# Altium PCB LimeSDR-PCIe_1v2.PcbDoc (part 9 of 9)
Units mm, origin at the board's own origin, x right, y up, seen from the top; angles counter-clockwise.
Board outline 136.85 x 68.9 mm, 12 copper layers (Top, L2, L3, L4, L5, L6, L7, L8, L9, L10, L11, Bottom), stack 1.638 mm thick; 821 components, 532 nets, 3803 pads, 1799 vias.
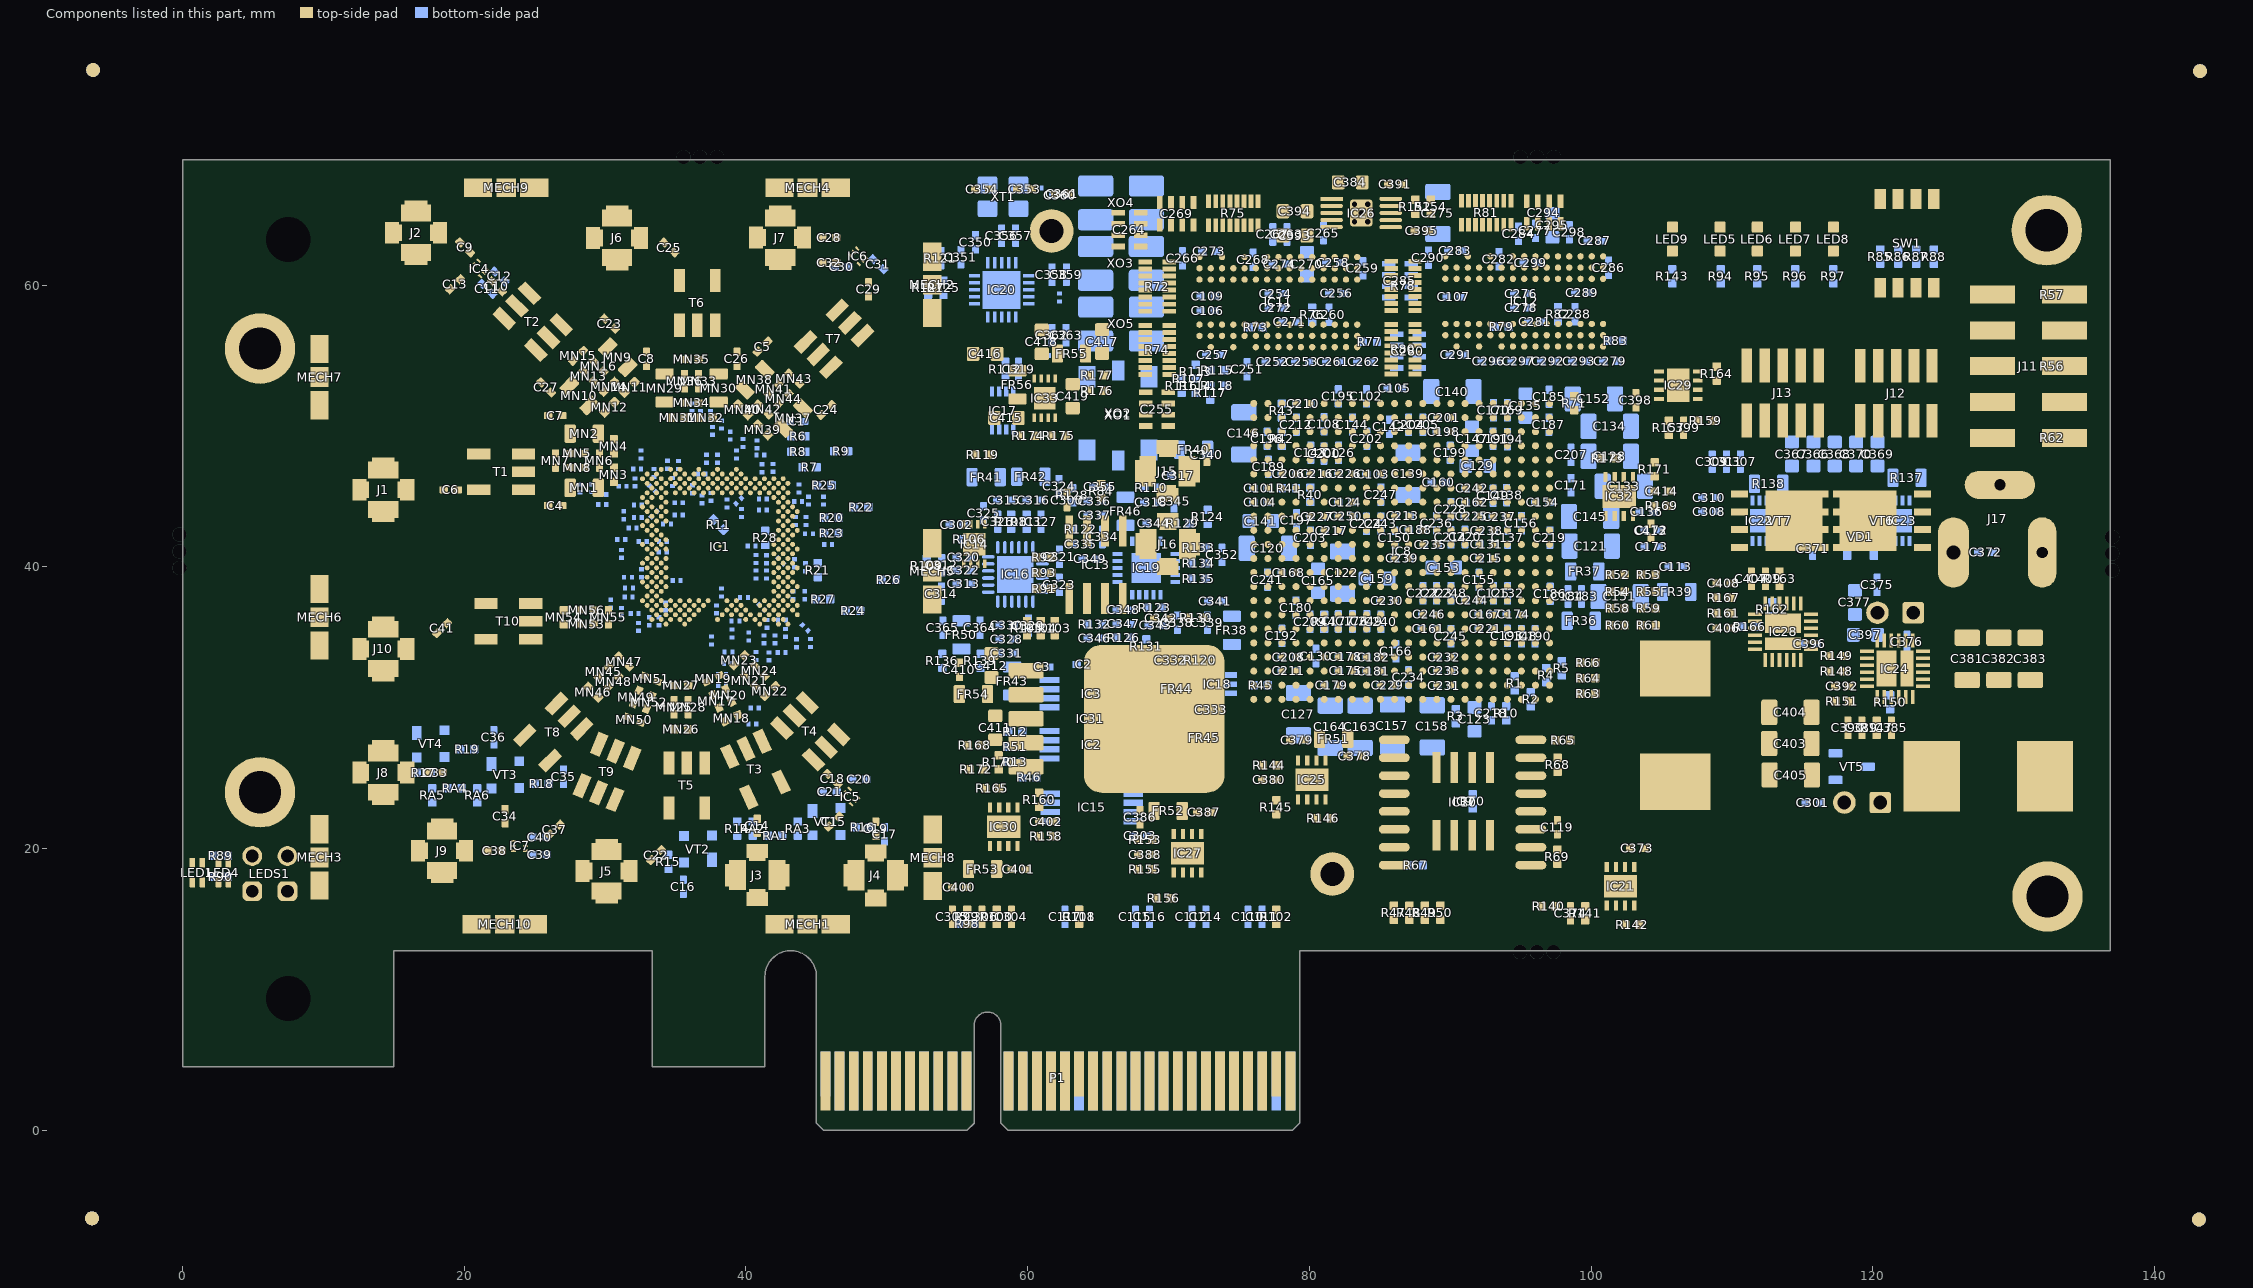
[diagram p19: the components of this part, seen from the top]

## Other copper (continued)
L5:
  pour cut-out: 70.715,44.6 70.715,45.8 69.14,45.8 69.14,44.6
  pour cut-out: 69.16,43.825 69.16,42.625 70.735,42.625 70.735,43.825
  region net VDIO_LMS: 42.025,42.725 41.875,42.575 41.325,42.575 41.15,42.75 41.15,43.35 41.325,43.525 41.9,43.525 42.025,43.4 42.025,43.15 42.2,42.975 42.2,42.875
  pour cut-out: 48.426,20.3 48.426,19.1 50.001,19.1 50.001,20.3
  pour cut-out: 40.01,20.325 40.01,19.125 41.585,19.125 41.585,20.325
  pour cut-out: 32.3,19.19 31.1,19.19 31.1,17.615 32.3,17.615
  pour cut-out: 20.625,20.64 19.425,20.64 19.425,19.065 20.625,19.065
  pour cut-out: 16.45,26.19 15.25,26.19 15.25,24.615 16.45,24.615
  pour cut-out: 16.45,34.965 15.25,34.965 15.25,33.39 16.45,33.39
  pour cut-out: 16.45,46.265 15.25,46.265 15.25,44.69 16.45,44.69
  pour cut-out: 18.775,64.515 17.575,64.515 17.575,62.94 18.775,62.94
  pour cut-out: 33.05,64.15 31.85,64.15 31.85,62.575 33.05,62.575
  pour cut-out: 41.865,27.011 41.158,28.529 40.455,28.201 41.163,26.683
  pour cut-out: 39.565,25.936 38.858,27.454 38.155,27.126 38.863,25.608
  pour cut-out: 39.485,24.264 40.193,22.746 40.895,23.074 40.187,24.592
  pour cut-out: 28.308,25.375 27.667,23.828 28.383,23.531 29.024,25.079
  pour cut-out: 29.525,28.313 28.884,26.766 29.6,26.469 30.241,28.017
  pour cut-out: 31.872,27.341 31.231,25.794 31.947,25.497 32.588,27.045
  pour cut-out: 45.66,25.993 44.475,27.177 43.927,26.629 45.112,25.445
  pour cut-out: 43.483,30.664 44.668,29.479 45.216,30.027 44.031,31.212
  pour cut-out: 41.687,28.868 42.872,27.683 43.42,28.231 42.235,29.416
  pour cut-out: 34.917,22.061 34.917,23.736 34.142,23.736 34.142,22.061
  pour cut-out: 37.457,25.241 37.457,26.916 36.682,26.916 36.682,25.241
  pour cut-out: 34.141,26.904 34.141,25.229 34.916,25.229 34.916,26.904
  pour cut-out: 23.987,27.186 25.171,28.37 24.623,28.918 23.439,27.734
  pour cut-out: 28.658,29.363 27.474,28.178 28.022,27.63 29.206,28.815
  pour cut-out: 26.862,31.159 25.678,29.974 26.226,29.426 27.41,30.611
  pour cut-out: 22.372,37.795 20.697,37.795 20.697,37.02 22.372,37.02
  pour cut-out: 25.552,37.795 23.877,37.795 23.877,37.02 25.552,37.02
  pour cut-out: 25.552,35.255 23.877,35.255 23.877,34.48 25.552,34.48
  pour cut-out: 21.721,45.87 20.046,45.87 20.046,45.095 21.721,45.095
  pour cut-out: 25.051,48.41 23.376,48.41 23.376,47.635 25.051,47.635
  pour cut-out: 25.051,45.87 23.376,45.87 23.376,45.095 25.051,45.095
  pour cut-out: 25.947,55.076 24.763,56.261 24.215,55.712 25.399,54.528
  pour cut-out: 27.743,56.872 26.559,58.057 26.011,57.509 27.195,56.324
  pour cut-out: 24.597,58.223 23.412,59.407 22.864,58.859 24.049,57.675
  pour cut-out: 35.663,56.32 35.663,57.995 34.888,57.995 34.888,56.32
  pour cut-out: 38.203,56.32 38.203,57.995 37.428,57.995 37.428,56.32
  pour cut-out: 35.663,59.5 35.663,61.175 34.888,61.175 34.888,59.5
  pour cut-out: 47.067,56.462 48.252,57.647 47.704,58.195 46.519,57.01
  pour cut-out: 45.717,53.316 46.901,54.5 46.353,55.048 45.169,53.864
  pour cut-out: 43.921,55.112 45.105,56.296 44.557,56.844 43.373,55.66
  pour cut-out: 44.625,64.165 43.425,64.165 43.425,62.59 44.625,62.59
L8:
  pour cut-out: 26.862,31.159 25.678,29.974 26.226,29.426 27.41,30.611
  pour cut-out: 28.658,29.363 27.474,28.178 28.022,27.63 29.206,28.815
  pour cut-out: 23.987,27.186 25.171,28.37 24.623,28.918 23.439,27.734
  pour cut-out: 34.141,26.904 34.141,25.229 34.916,25.229 34.916,26.904
  pour cut-out: 37.457,25.241 37.457,26.916 36.682,26.916 36.682,25.241
  pour cut-out: 34.917,22.061 34.917,23.736 34.142,23.736 34.142,22.061
  pour cut-out: 41.687,28.868 42.872,27.683 43.42,28.231 42.235,29.416
  pour cut-out: 43.483,30.664 44.668,29.479 45.216,30.027 44.031,31.212
  pour cut-out: 45.66,25.993 44.475,27.177 43.927,26.629 45.112,25.445
  pour cut-out: 31.872,27.341 31.231,25.794 31.947,25.497 32.588,27.045
  pour cut-out: 29.525,28.313 28.884,26.766 29.6,26.469 30.241,28.017
  pour cut-out: 28.308,25.375 27.667,23.828 28.383,23.531 29.024,25.079
  pour cut-out: 39.485,24.264 40.193,22.746 40.895,23.074 40.187,24.592
  pour cut-out: 39.565,25.936 38.858,27.454 38.155,27.126 38.863,25.608
  pour cut-out: 41.865,27.011 41.158,28.529 40.455,28.201 41.163,26.683
  pour cut-out: 25.552,35.255 23.877,35.255 23.877,34.48 25.552,34.48
  pour cut-out: 25.552,37.795 23.877,37.795 23.877,37.02 25.552,37.02
  pour cut-out: 22.372,37.795 20.697,37.795 20.697,37.02 22.372,37.02
  pour cut-out: 25.051,45.87 23.376,45.87 23.376,45.095 25.051,45.095
  pour cut-out: 25.051,48.41 23.376,48.41 23.376,47.635 25.051,47.635
  pour cut-out: 21.721,45.87 20.046,45.87 20.046,45.095 21.721,45.095
  pour cut-out: 24.597,58.223 23.412,59.407 22.864,58.859 24.049,57.675
  pour cut-out: 27.743,56.872 26.559,58.057 26.011,57.509 27.195,56.324
  pour cut-out: 25.947,55.076 24.763,56.261 24.215,55.712 25.399,54.528
  pour cut-out: 35.663,59.5 35.663,61.175 34.888,61.175 34.888,59.5
  pour cut-out: 38.203,56.32 38.203,57.995 37.428,57.995 37.428,56.32
  pour cut-out: 35.663,56.32 35.663,57.995 34.888,57.995 34.888,56.32
  pour cut-out: 43.921,55.112 45.105,56.296 44.557,56.844 43.373,55.66
  pour cut-out: 45.717,53.316 46.901,54.5 46.353,55.048 45.169,53.864
  pour cut-out: 47.067,56.462 48.252,57.647 47.704,58.195 46.519,57.01
L9:
  pour cut-out: 41.865,27.011 41.158,28.529 40.455,28.201 41.163,26.683
  pour cut-out: 39.565,25.936 38.858,27.454 38.155,27.126 38.863,25.608
  pour cut-out: 39.485,24.264 40.193,22.746 40.895,23.074 40.187,24.592
  pour cut-out: 28.308,25.375 27.667,23.828 28.383,23.531 29.024,25.079
  pour cut-out: 29.525,28.313 28.884,26.766 29.6,26.469 30.241,28.017
  pour cut-out: 31.872,27.341 31.231,25.794 31.947,25.497 32.588,27.045
  pour cut-out: 45.66,25.993 44.475,27.177 43.927,26.629 45.112,25.445
  pour cut-out: 43.483,30.664 44.668,29.479 45.216,30.027 44.031,31.212
  pour cut-out: 41.687,28.868 42.872,27.683 43.42,28.231 42.235,29.416
  pour cut-out: 34.917,22.061 34.917,23.736 34.142,23.736 34.142,22.061
  pour cut-out: 37.457,25.241 37.457,26.916 36.682,26.916 36.682,25.241
  pour cut-out: 34.141,26.904 34.141,25.229 34.916,25.229 34.916,26.904
  pour cut-out: 23.987,27.186 25.171,28.37 24.623,28.918 23.439,27.734
  pour cut-out: 28.658,29.363 27.474,28.178 28.022,27.63 29.206,28.815
  pour cut-out: 26.862,31.159 25.678,29.974 26.226,29.426 27.41,30.611
  pour cut-out: 22.372,37.795 20.697,37.795 20.697,37.02 22.372,37.02
  pour cut-out: 25.552,37.795 23.877,37.795 23.877,37.02 25.552,37.02
  pour cut-out: 25.552,35.255 23.877,35.255 23.877,34.48 25.552,34.48
  pour cut-out: 21.721,45.87 20.046,45.87 20.046,45.095 21.721,45.095
  pour cut-out: 25.051,48.41 23.376,48.41 23.376,47.635 25.051,47.635
  pour cut-out: 25.051,45.87 23.376,45.87 23.376,45.095 25.051,45.095
  pour cut-out: 25.947,55.076 24.763,56.261 24.215,55.712 25.399,54.528
  pour cut-out: 27.743,56.872 26.559,58.057 26.011,57.509 27.195,56.324
  pour cut-out: 24.597,58.223 23.412,59.407 22.864,58.859 24.049,57.675
  pour cut-out: 35.663,56.32 35.663,57.995 34.888,57.995 34.888,56.32
  pour cut-out: 38.203,56.32 38.203,57.995 37.428,57.995 37.428,56.32
  pour cut-out: 35.663,59.5 35.663,61.175 34.888,61.175 34.888,59.5
  pour cut-out: 47.067,56.462 48.252,57.647 47.704,58.195 46.519,57.01
  pour cut-out: 45.717,53.316 46.901,54.5 46.353,55.048 45.169,53.864
  pour cut-out: 43.921,55.112 45.105,56.296 44.557,56.844 43.373,55.66
L10:
  region net VCC1P25_LMS: 21.275,41.625 21.275,39.6 21.775,39.1 21.775,41.125
  region net VCC1P25_LMS: 52.775,29.65 51.825,29.65 51.35,29.175 51.35,28.75 51.4,28.7 52.775,28.7
  pour cut-out: 41.865,27.011 41.158,28.529 40.455,28.201 41.163,26.683
  pour cut-out: 39.565,25.936 38.858,27.454 38.155,27.126 38.863,25.608
  pour cut-out: 39.485,24.264 40.193,22.746 40.895,23.074 40.187,24.592
  pour cut-out: 28.308,25.375 27.667,23.828 28.383,23.531 29.024,25.079
  pour cut-out: 29.525,28.313 28.884,26.766 29.6,26.469 30.241,28.017
  pour cut-out: 31.872,27.341 31.231,25.794 31.947,25.497 32.588,27.045
  pour cut-out: 45.66,25.993 44.475,27.177 43.927,26.629 45.112,25.445
  pour cut-out: 43.483,30.664 44.668,29.479 45.216,30.027 44.031,31.212
  pour cut-out: 41.687,28.868 42.872,27.683 43.42,28.231 42.235,29.416
  pour cut-out: 34.917,22.061 34.917,23.736 34.142,23.736 34.142,22.061
  pour cut-out: 37.457,25.241 37.457,26.916 36.682,26.916 36.682,25.241
  pour cut-out: 34.141,26.904 34.141,25.229 34.916,25.229 34.916,26.904
  pour cut-out: 23.987,27.186 25.171,28.37 24.623,28.918 23.439,27.734
  pour cut-out: 28.658,29.363 27.474,28.178 28.022,27.63 29.206,28.815
  pour cut-out: 26.862,31.159 25.678,29.974 26.226,29.426 27.41,30.611
  pour cut-out: 22.372,37.795 20.697,37.795 20.697,37.02 22.372,37.02
  pour cut-out: 25.552,37.795 23.877,37.795 23.877,37.02 25.552,37.02
  pour cut-out: 25.552,35.255 23.877,35.255 23.877,34.48 25.552,34.48
  pour cut-out: 21.721,45.87 20.046,45.87 20.046,45.095 21.721,45.095
  pour cut-out: 25.051,48.41 23.376,48.41 23.376,47.635 25.051,47.635
  pour cut-out: 25.051,45.87 23.376,45.87 23.376,45.095 25.051,45.095
  pour cut-out: 25.947,55.076 24.763,56.261 24.215,55.712 25.399,54.528
  pour cut-out: 27.743,56.872 26.559,58.057 26.011,57.509 27.195,56.324
  pour cut-out: 24.597,58.223 23.412,59.407 22.864,58.859 24.049,57.675
  pour cut-out: 35.663,56.32 35.663,57.995 34.888,57.995 34.888,56.32
  pour cut-out: 38.203,56.32 38.203,57.995 37.428,57.995 37.428,56.32
  pour cut-out: 35.663,59.5 35.663,61.175 34.888,61.175 34.888,59.5
  pour cut-out: 47.067,56.462 48.252,57.647 47.704,58.195 46.519,57.01
  pour cut-out: 45.717,53.316 46.901,54.5 46.353,55.048 45.169,53.864
  pour cut-out: 43.921,55.112 45.105,56.296 44.557,56.844 43.373,55.66
  text "A" at 127.575,17.375 h0.7
  text "V" at 128.575,17.35 h0.7
  text "L" at 128.05,16.8 h0.7
  text "D" at 127.8,15.175 h0.7
  text "R" at 128.35,15.175 h0.7
L6:
  pour cut-out: 70.715,44.6 70.715,45.8 69.14,45.8 69.14,44.6
  pour cut-out: 69.16,43.825 69.16,42.625 70.735,42.625 70.735,43.825
  pour cut-out: 48.426,20.3 48.426,19.1 50.001,19.1 50.001,20.3
  pour cut-out: 40.01,20.325 40.01,19.125 41.585,19.125 41.585,20.325
  pour cut-out: 32.3,19.19 31.1,19.19 31.1,17.615 32.3,17.615
  pour cut-out: 20.625,20.64 19.425,20.64 19.425,19.065 20.625,19.065
  pour cut-out: 16.45,26.19 15.25,26.19 15.25,24.615 16.45,24.615
  pour cut-out: 16.45,34.965 15.25,34.965 15.25,33.39 16.45,33.39
  pour cut-out: 16.45,46.265 15.25,46.265 15.25,44.69 16.45,44.69
  pour cut-out: 18.775,64.515 17.575,64.515 17.575,62.94 18.775,62.94
  pour cut-out: 33.05,64.15 31.85,64.15 31.85,62.575 33.05,62.575
  pour cut-out: 41.865,27.011 41.158,28.529 40.455,28.201 41.163,26.683
  pour cut-out: 39.565,25.936 38.858,27.454 38.155,27.126 38.863,25.608
  pour cut-out: 39.485,24.264 40.193,22.746 40.895,23.074 40.187,24.592
  pour cut-out: 28.308,25.375 27.667,23.828 28.383,23.531 29.024,25.079
  pour cut-out: 29.525,28.313 28.884,26.766 29.6,26.469 30.241,28.017
  pour cut-out: 31.872,27.341 31.231,25.794 31.947,25.497 32.588,27.045
  pour cut-out: 45.66,25.993 44.475,27.177 43.927,26.629 45.112,25.445
  pour cut-out: 43.483,30.664 44.668,29.479 45.216,30.027 44.031,31.212
  pour cut-out: 41.687,28.868 42.872,27.683 43.42,28.231 42.235,29.416
  pour cut-out: 34.917,22.061 34.917,23.736 34.142,23.736 34.142,22.061
  pour cut-out: 37.457,25.241 37.457,26.916 36.682,26.916 36.682,25.241
  pour cut-out: 34.141,26.904 34.141,25.229 34.916,25.229 34.916,26.904
  pour cut-out: 23.987,27.186 25.171,28.37 24.623,28.918 23.439,27.734
  pour cut-out: 28.658,29.363 27.474,28.178 28.022,27.63 29.206,28.815
  pour cut-out: 26.862,31.159 25.678,29.974 26.226,29.426 27.41,30.611
  pour cut-out: 22.372,37.795 20.697,37.795 20.697,37.02 22.372,37.02
  pour cut-out: 25.552,37.795 23.877,37.795 23.877,37.02 25.552,37.02
  pour cut-out: 25.552,35.255 23.877,35.255 23.877,34.48 25.552,34.48
  pour cut-out: 21.721,45.87 20.046,45.87 20.046,45.095 21.721,45.095
  pour cut-out: 25.051,48.41 23.376,48.41 23.376,47.635 25.051,47.635
  pour cut-out: 25.051,45.87 23.376,45.87 23.376,45.095 25.051,45.095
  pour cut-out: 25.947,55.076 24.763,56.261 24.215,55.712 25.399,54.528
  pour cut-out: 27.743,56.872 26.559,58.057 26.011,57.509 27.195,56.324
  pour cut-out: 24.597,58.223 23.412,59.407 22.864,58.859 24.049,57.675
  pour cut-out: 35.663,56.32 35.663,57.995 34.888,57.995 34.888,56.32
  pour cut-out: 38.203,56.32 38.203,57.995 37.428,57.995 37.428,56.32
  pour cut-out: 35.663,59.5 35.663,61.175 34.888,61.175 34.888,59.5
  pour cut-out: 47.067,56.462 48.252,57.647 47.704,58.195 46.519,57.01
  pour cut-out: 45.717,53.316 46.901,54.5 46.353,55.048 45.169,53.864
  pour cut-out: 43.921,55.112 45.105,56.296 44.557,56.844 43.373,55.66
  pour cut-out: 44.625,64.165 43.425,64.165 43.425,62.59 44.625,62.59
L7:
  pour cut-out: 41.865,27.011 41.158,28.529 40.455,28.201 41.163,26.683
  pour cut-out: 39.565,25.936 38.858,27.454 38.155,27.126 38.863,25.608
  pour cut-out: 39.485,24.264 40.193,22.746 40.895,23.074 40.187,24.592
  pour cut-out: 28.308,25.375 27.667,23.828 28.383,23.531 29.024,25.079
  pour cut-out: 29.525,28.313 28.884,26.766 29.6,26.469 30.241,28.017
  pour cut-out: 31.872,27.341 31.231,25.794 31.947,25.497 32.588,27.045
  pour cut-out: 45.66,25.993 44.475,27.177 43.927,26.629 45.112,25.445
  pour cut-out: 43.483,30.664 44.668,29.479 45.216,30.027 44.031,31.212
  pour cut-out: 41.687,28.868 42.872,27.683 43.42,28.231 42.235,29.416
  pour cut-out: 34.917,22.061 34.917,23.736 34.142,23.736 34.142,22.061
  pour cut-out: 37.457,25.241 37.457,26.916 36.682,26.916 36.682,25.241
  pour cut-out: 34.141,26.904 34.141,25.229 34.916,25.229 34.916,26.904
  pour cut-out: 23.987,27.186 25.171,28.37 24.623,28.918 23.439,27.734
  pour cut-out: 28.658,29.363 27.474,28.178 28.022,27.63 29.206,28.815
  pour cut-out: 26.862,31.159 25.678,29.974 26.226,29.426 27.41,30.611
  pour cut-out: 22.372,37.795 20.697,37.795 20.697,37.02 22.372,37.02
  pour cut-out: 25.552,37.795 23.877,37.795 23.877,37.02 25.552,37.02
  pour cut-out: 25.552,35.255 23.877,35.255 23.877,34.48 25.552,34.48
  pour cut-out: 21.721,45.87 20.046,45.87 20.046,45.095 21.721,45.095
  pour cut-out: 25.051,48.41 23.376,48.41 23.376,47.635 25.051,47.635
  pour cut-out: 25.051,45.87 23.376,45.87 23.376,45.095 25.051,45.095
  pour cut-out: 25.947,55.076 24.763,56.261 24.215,55.712 25.399,54.528
  pour cut-out: 27.743,56.872 26.559,58.057 26.011,57.509 27.195,56.324
  pour cut-out: 24.597,58.223 23.412,59.407 22.864,58.859 24.049,57.675
  pour cut-out: 35.663,56.32 35.663,57.995 34.888,57.995 34.888,56.32
  pour cut-out: 38.203,56.32 38.203,57.995 37.428,57.995 37.428,56.32
  pour cut-out: 35.663,59.5 35.663,61.175 34.888,61.175 34.888,59.5
  pour cut-out: 47.067,56.462 48.252,57.647 47.704,58.195 46.519,57.01
  pour cut-out: 45.717,53.316 46.901,54.5 46.353,55.048 45.169,53.864
  pour cut-out: 43.921,55.112 45.105,56.296 44.557,56.844 43.373,55.66
Bottom:
  region net GND: 34.625,35.725 34.625,35.375 33.3,34.05 26.9,34.05 23,30.15 23,29.275 25.2,27.075 27,27.075 28.225,25.85 40,25.85 40,28.5 39.198,28.5 36.772,30.926 36.772,35.725
  pour cut-out: 60.15,6.05 60.15,10.45 58.725,11.875 58.725,13.175 59.275,13.175 59.275,12.25 60.875,10.65 60.875,6.05
  pour cut-out: 59.425,6.05 59.425,10.225 58.025,11.625 58.025,13.175 58.488,13.175 58.488,12.112 60.15,10.45 60.15,6.05
  pour cut-out: 63.875,6.05 63.875,14.058 63.15,14.058 63.15,6.05
  pour cut-out: 62.425,6.05 62.425,14.058 63.15,14.058 63.15,6.05
  pour cut-out: 68.875,6.05 68.875,14.058 68.15,14.058 68.15,6.05
  pour cut-out: 67.425,6.05 67.425,14.058 68.15,14.058 68.15,6.05
  pour cut-out: 72.875,6.05 72.875,14.058 72.15,14.058 72.15,6.05
  pour cut-out: 71.425,6.05 71.425,14.058 72.15,14.058 72.15,6.05
  pour cut-out: 75.425,6.05 75.425,14.058 76.15,14.058 76.15,6.05
  pour cut-out: 76.875,6.05 76.875,14.058 76.15,14.058 76.15,6.05
  region net VCC3P3_CLK: 58.025,32.275 58.025,30.725 58.25,30.5 59.525,30.5 59.6,30.575 59.6,32.125 59.475,32.25 58.625,32.25 58.475,32.4 58.15,32.4
  region net REF_CLK_OUT: 53.799,61.722 54.403,61.722 54.5,61.625 54.5,61.5 54.275,61.275 54.128,61.422 53.799,61.422
  region net NetC312_2: 71.625,53.65 72.375,53.65 72.675,53.95 73.25,53.95 73.25,52.875 72.65,52.875 72.475,53.05 71.625,53.05
  region net VCC2P5A_FPGA: 96.497,35.728 96.1,36.125 95.1,36.125 94.775,35.8 94.775,35.5 96.497,35.5
  region net VCC12P0: 112.3,42.2 112.3,40.875 112.9,40.275 113.6,40.275 113.875,40.55 113.875,41.125 112.8,42.2
  region net VCC2P5: 57,33.125 55.875,33.125 55.75,33 55.75,32.15 55.925,31.975 56.85,31.975 57,32.125
  region net VCC1P8: 58.875,47.25 58.725,47.4 58.725,47.9 59,48.175 59.675,48.175 59.825,48.025 59.825,47.4 59.675,47.25
  region net VCC1P2: 100.775,40.325 100.65,40.45 100.65,42.175 100.3,42.525 99.05,42.525 98.9,42.375 98.9,40.775 99.275,40.4 99.3,40.425 100.275,39.45 100.775,39.45
  region net VCC1P2: 99.8,36.825 99.425,36.45 99.425,35.95 99.9,35.475 99.9,34.875 100.05,34.725 100.85,34.725 101.05,34.925 101.05,36.625 100.85,36.825
  region net VCC1P8_DDR2: 88.2,62.45 88.2,64.1 88.325,64.225 90.05,64.225 90.15,64.125 90.15,62.45
  region net VCC12P0_PCIE: 108.575,43.575 108.575,47.175 108.7,47.3 111.45,47.3 112,46.75 112,45.625 111.625,45.25 111.025,45.25 110.7,44.925 110.7,43.975 110.3,43.575
  region net VCC2P5: 73.75,34.9 73.75,33.775 74.025,33.5 75.025,33.5 75.25,33.725 75.25,34.9
  region net VCC2P5: 106.675,37.2 106.825,37.05 107.975,37.05 108.125,37.2 108.125,38.825 107.925,39.025 106.725,39.025 106.675,38.975
  region net VCC3P3: 54.7,33.125 54.925,32.9 54.925,30.275 54.5,29.85 53.55,29.85 53.15,30.25 53.15,32.925 53.35,33.125
  region net VCC3P3_CLK: 73.175,46.875 72.925,46.625 72.925,46.1 72.775,45.95 72.35,45.95 72.125,46.175 72.125,48.725 72.375,48.975 73.175,48.975
  region net +1.8V_DIG_LMK: 60.875,45.375 61.225,45.375 61.675,44.925 61.675,44.15 61.825,44 62.625,44 62.675,44.05 62.675,45.5 62.525,45.65 62.1,45.65 61.825,45.925 61.825,46.875 60.95,46.875 60.875,46.875
  region net VDIO_LMS: 56.875,35.775 56.975,35.875 56.975,36.7 56.7,36.975 55.3,36.975 55.3,36.175 55.3,35.775
  region net VDIO_LMS: 53.725,35.775 53.625,35.875 53.625,36.7 53.9,36.975 55.3,36.975 55.3,36.175 55.3,35.775
  region net VDIO_LMS_FPGA: 57,33.525 57,34.25 56.675,34.575 55.7,34.575 55.3,34.175 55.3,33.525
  region net VDIO_LMS_FPGA: 53.6,33.525 53.6,34.25 53.925,34.575 54.9,34.575 55.3,34.175 55.3,33.525
  region net VCC12P0: 122.225,47.05 121.65,47.625 117.525,47.625 117.525,41.55 117.575,41.5 118.3,42.225 118.3,43.825 118.825,44.35 120.6,44.35 121.45,44.35 121.75,44.65 121.75,45.5 122.225,45.975
  region net VCC12P0: 112.3,46.575 113.35,47.625 117.525,47.625 117.825,47.325 117.825,41.75 117.575,41.5 113.925,41.5 113.35,42.075 113.35,43.825 112.875,44.3 112.3,44.3
  region net NetIC23_4: 122.775,42.45 119,42.45 118.6,42.85 118.6,43.75 118.95,44.1 122.775,44.1
  region net NetC358_2: 61.376,60.55 61.376,59.648 61.776,59.248 62.096,59.248 62.251,59.403 62.251,60.375 62.076,60.55
  region net NetC358_2: 63.126,60.55 63.126,59.648 62.726,59.248 62.406,59.248 62.251,59.403 62.251,60.375 62.426,60.55
  region net NetC362_2: 63.128,56.248 63.128,55.345 62.728,54.945 62.408,54.945 62.253,55.1 62.253,56.073 62.428,56.248
  region net NetC362_2: 61.378,56.248 61.378,55.345 61.778,54.945 62.098,54.945 62.253,55.1 62.253,56.073 62.078,56.248
  region net NetC360_2: 62.123,66.022 61.22,66.022 60.82,66.422 60.82,66.742 60.975,66.897 61.948,66.897 62.123,66.722
  region net NetC360_2: 62.123,67.772 61.22,67.772 60.82,67.372 60.82,67.052 60.975,66.897 61.948,66.897 62.123,67.072
  region net VCC1P25_LMS: 35.75,45.65 36.375,45.65 36.55,45.825 36.55,46.225 36.725,46.4 36.725,47.525 37.05,47.85 37.35,47.85 37.5,48 37.5,48.35 36.9,48.95 35.4,48.95 35.075,48.625 35.075,48.225 35.75,47.55
  region net NetC66_1: 38.45,49.975 38.45,49.025 38.55,48.925 38.4,48.775 38.35,48.775 37.75,49.375 37.625,49.375 38.075,49.825 38.075,49.975
  region net VCC1P25_LMS: 32.25,41.975 31.65,41.375 31.575,41.375 31.575,40.823 31.636,40.761 33,40.761 33,41.15 32.55,41.6 32.55,41.975
  region net VCC1P25_LMS: 41.7,32.7 41.075,32.7 40.55,33.225 40.55,33.525 41.5,33.525 41.674,33.351
  region net +1.8V_DIG_LMK: 62.625,43.437 62.625,44 62.425,44.2 61.725,44.2 61.675,44.15 61.675,43.437
  region net GND: 38.524,37.245 38.374,37.095 37.774,37.095 37.774,37.42 37.949,37.595 38.399,37.595
  region net NetC84_1: 38.699,36.47 38.699,35.945 38.599,35.845 38.324,35.845 38.299,35.87 38.299,36.17 38.524,36.395 38.642,36.513
  region net VDIO_LMS: 42.149,42.845 41.599,42.295 41.349,42.295 41.349,42.82 41.749,43.22 41.949,43.22 42.149,43.02
  region net NetC46_1: 41.324,38.695 41.924,38.695 42.124,38.895 42.124,38.995 41.824,39.295 41.324,39.295
  region net GND: 42.977,38.591 42.977,39.424 43.174,39.62 44.099,39.62 44.124,39.595 44.124,38.395 44.024,38.295 43.273,38.295
  region net GND: 37.399,43.695 37.399,44.22 35.774,44.22 35.774,43.695
  region net NetC97_1: 44.387,35.733 43.874,35.22 43.874,34.92 43.874,34.795 43.974,34.695 45.099,34.695 45.124,34.72 45.124,34.995
  region net GND: 40.422,40.688 39.847,41.263 39.847,41.663 39.997,41.813 40.872,41.813 40.872,42.863 41.547,43.538 41.372,43.713 40.797,43.138 38.597,43.138 38.922,42.813 38.922,42.563 38.497,42.138 38.322,42.138 37.547,42.913 36.897,43.563 35.897,43.563 35.722,43.388 35.097,43.388 35.097,41.013 34.622,40.538 34.622,39.363 35.472,39.363 35.597,39.238 35.597,38.838 35.472,38.713 35.022,38.713 34.622,38.313 34.622,35.402 34.622,30.926 36.772,30.926 36.772,37.638 36.772,37.338 37.397,37.963 37.397,38.263 37.522,38.388 38.747,38.388 38.947,38.188 40.422,38.188
  region net NetIC17_2: 58.625,50.1 57.825,50.1 57.825,49.4 58.625,49.4
  region net NetC319_2: 57.825,52.8 59.125,52.8 59.125,52.1 57.825,52.1
  region net GND: 71.375,42.28 71.505,42.28 72.25,43.025 72.25,43.65 72.225,43.675 71.375,43.675
  region net GND: 71.45,42.45 71.225,42.45 71.225,42.65 71.45,42.65
  region net GND: 67.575,38.5 66.825,38.5 66.825,41.35 67.575,41.35
  region net NetC337_2: 68.075,41.475 68.075,42.6 66.875,42.6 66.875,41.475
  region net GND: 69.875,38.875 69.125,38.875 69.125,41.125 69.875,41.125
  region net GND: 69.95,41.075 69.95,42.525 69.925,42.55 68.775,42.55 68.775,41.075
  region net VCC3P3_CLK: 68.775,38.375 68.775,37.55 69.275,37.55 69.275,36.6 69.95,36.6 69.95,38.375
  region net +1.8V_DIG_LMK: 62.625,43.437 61.675,43.437 61.275,43.037 60.7,43.037 60.425,42.762 60.425,40.962 60.55,40.962 62.625,43.037
  region net NetC376_2: 122.174,34.476 122.674,34.476 122.674,31.751 122.574,31.651 122.274,31.651 122.174,31.751
  region net NetC396_2: 115.325,34.8 115.325,34.3 112.6,34.3 112.5,34.4 112.5,34.7 112.6,34.8
  region net VDIO_LMS: 68.15,32.2 68.15,30.45 66.725,30.45 66.725,32.2
  region net NetC97_1: 44.387,35.733 44.529,35.875 45.1,35.875 45.124,35.851 45.124,34.72
  region net VCC1P25_LMS_DIG: 51.75,39.875 51.5,40.125 51.025,40.125 50.35,39.45 50.35,38.75 51.625,38.75 51.75,38.875
  region net NetC332_2: 71.161,32.11 71.161,32.485 71.686,33.01 72.061,33.01 72.061,33.71 71.986,33.785 70.436,33.785 70.361,33.71 70.361,32.11
  region net VCC12P0_PCIE: 46.3,5.55 48,5.55 48,8.95 47.425,9.525 46.875,9.525 46.3,8.95
  region net NetC362_2: 61.35,54.825 62.608,54.825 62.728,54.945 62.328,55.345 61.378,55.345 61.35,55.317
  region net NetC372_1: 120.25,41.475 120.325,41.475 120.625,41.175 125.575,41.175 125.725,41.025 125.725,40.3 125,39.575 121.125,39.575 120.25,40.45
  region net NetJ14_1: 118.75,24.625 119.35,24.025 119.35,22.325 119.775,21.9 122.45,21.9 122.8,22.25 122.8,26.125 122.1,26.825 119.15,26.825 118.75,26.425
  region net VDIO_LMS_FPGA: 54.55,34.575 54.95,34.975 55.65,34.975 56.05,34.575
  region net VCC3P3_PCIE: 55,5.55 55,8.45 54.675,8.775 52.525,8.775 52.25,8.5 52.25,7.275 53.3,6.225 53.3,5.55 53.975,5.55
  region net NetC372_1: 124.7,43.375 125.45,44.125 125.45,46.3 124.675,47.075 123.025,47.075 123.025,44.15 123.8,43.375
  region net VCC12P0: 121.65,42.275 121.75,42.175 121.75,41.475 121.425,41.475 121.025,41.875 121.025,42.275
  region net VCC12P0: 119.6,41.475 119.8,41.675 119.8,41.975 119.775,42 118.625,42 118.475,41.85 118.475,41.725 118.625,41.575 118.625,40.95 118.625,40.7 118.75,40.575 119.525,40.575 119.6,40.65
  region net NetC372_1: 122.875,41.1 124.95,43.175 125.95,43.175 125.95,41.1
  region net VCC3P3_LMK: 55.5,45.225 55.45,45.175 55.45,44.45 55.675,44.225 56.175,44.225 56.425,44.475 56.425,45.175 56.375,45.225

## Silkscreen, mask and mechanical layers (free items; w line width, h text height)
TopOverlay:
  drawing of 3217 lines, arcs and shapes, not listed
  text "TX2_2" at 40.225,61.075 h0.9 r90
  text "TX2_1" at 28.65,61.06 h0.9 r90
  text "10" at 129.1,60.6 h0.7 r90
  text "9" at 134.2,60.6 h0.7 r90
  text "GND" at 60.425,60.425 h0.8
  text "FPGA LED5" at 113.48,60.325 h0.7 r90
  text "FPGA LED3" at 108.18,60.3 h0.7 r90
  text "FPGA LED4" at 110.83,60.3 h0.7 r90
  text "FPGA LED6" at 116.205,60.3 h0.7 r90
  text "VDD3P3 PWR" at 104.75,60.225 h0.7 r90
  text "TX1_2" at 13.8,59.575 h0.9
  text "FPGA SWITCH" at 119.175,59.225 h0.7 r90
  text "1" at 123.425,58.25 h0.7 r90
  text "3" at 120.825,58.15 h0.7 r90
  text "2" at 122.125,58.125 h0.7 r90
  text "0" at 124.725,58.125 h0.7 r90
  text "JTAG" at 126.3,54.2 h0.7 r90
  text "DDR2 #2" at 93.1,53.3 h0.7
  text "DDR2 #1" at 75.4,53.2 h0.7
  text "FPGA" at 126.3,50.975 h0.7 r90
  text "FPGA" at 112.275,47.325 h0.7
  text "FPGA" at 120.125,47.3 h0.7
  text "1" at 134.225,47.225 h0.7 r90
  text "2" at 129.125,47.025 h0.7 r90
  text "GPIO(7-0)" at 118.85,46.325 h0.7
  text "GPIO(15-8)" at 110.7,46.3 h0.7
  text "OUT" at 67.85,45.825 h0.75 r90
  text "o" at 56,44.625 h1.2 r90
  text "CLK" at 73.8,44.05 h0.75 r90
  text "t" at 56.816,43.893 h2.1 r90
  text "TX1_1" at 11.9,43.45 h0.9 r90
  text "REF" at 73.85,41.6 h0.75 r90
  text "1" at 105.125,40.225 h0.75 r90
  text "0" at 101.95,40.075 h0.75 r90
  text "12V" at 119.2,39.15 h0.7
  text "0" at 100.825,38.925 h0.75 r90
  text "GND" at 121.875,38.55 h0.7
  text "OUT" at 119.225,38.15 h0.7
  text "1" at 100.825,37.9 h0.75 r90
  text "LMS7002M" at 46.525,37.825 h0.9 r90
  text "IN" at 69.175,37.75 h0.75
  text "2" at 100.825,36.7 h0.75 r90
  text "3" at 100.825,35.5 h0.75 r90
  text "FPGA MSEL" at 99.5,34.6 h0.75 r90
  text "RX2_W" at 11.975,31.825 h0.9 r90
  text "ALTERA CYCLONE V" at 75.625,30.9 h0.9 r90
  text "External 12V DC" at 135.75,30.075 h0.75 r90
  text "FPGA_LED2" at 3.175,26.2 h0.7 r90
  text "FPGA_LED1" at 1.425,26.175 h0.7 r90
  text "RX2_L" at 12.075,23.2 h0.9 r90
  text "FAN" at 116.7,20.575 h0.8
  text "12V" at 119.525,20.575 h0.8
  text "LimeSDR-PCIe" at 112.8,18.15 h2.5
  text "RX2_H" at 16.225,17.55 h0.9 r90
  text "C" at 128.625,17.25 h1.2
  text "BOM_VER" at 85.325,16.825 h0.6
  text "RX1_W" at 27.9,16.1 h0.9 r90
  text "RX1_L" at 38.5,15.925 h0.9 r90
  text "RX1_H" at 46.916,15.9 h0.9 r90
  text "v1.2" at 117.55,15.9 h2.5
  text "GND" at 80.475,14.925 h0.8
  text "0" at 85.677,12.928 h0.55
  text "1" at 86.775,12.925 h0.55
  text "2" at 87.875,12.925 h0.55
  text "3" at 88.975,12.925 h0.55
  text "x4" at 72.568,7.834 h1.8
BottomOverlay:
  drawing of 1817 lines, arcs and shapes, not listed
  text "IC20" at 42.725,61.325 h0.7
  text "Unmarked components are / FPGA decoupling caps" at 121.725,52.55 h0.7
  text "XO1-XO2" at 62.65,49.025 h0.55 r270
  text "x4" at 65.369,7.791 h1.8
Mechanical1:
  drawing of 2461 lines, arcs and shapes, not listed
  text "LimeSDR-PCIe v1.2" at 210.618,141.397 h2.6
  text "CONTROLLED IMPEDANCE" at 200.575,136.375 h3
  text "GENERAL PARAMETERS:" at 177.525,130.675 h1.5
  text "Top layer copper foil thickness: 17.5 um / Dielectric thickness from Top to L2 = 173um (6.8 mils) / Dielectric between Top layer and 2nd layer relative permittivity (Er): 4.2 /  / Bottom layer copper foil thickness: 17.5 um / Dielectric thickness from L11 to Bottom = 173um (6.8 mils) / Dielectric between L11 layer and Bottom layer relative permittivity (Er): 4.2 / Ground plane distance to trace on Bottom layer: 0.1mm" at 181.975,103.95 h1.5
  text "CALCULATIONS:" at 177.65,102.7 h1.5
  text "RF (Top)" at 161.8,85.25 h2
  text "Board Cutout" at 54.15,80.05 h1.5
  text "50 Ohm microstrip (Top layer, no GND) characteristics: /  Top layer copper foil thickness: 17.5 um /  Track width = 0.325 mm (12.795 mils) /  Dielectric thickness from Top to L2 = 173um (6.8 mils) /  Dielectric between Top layer and 2nd layer relative permittivity (Er): 4.2 /          /  Approximate microstrip line impedance = 49.99 Ohms (+/- 10% tolerance)" at 181.15,76.55 h1.5
  text "RF (Bottom)" at 157.8,64.3 h2
  text "50 Ohm coplanar waveguide with GND (Bottom layer) characteristics: /  Bottom layer copper foil thickness: 17.5 um /  Track width = 0.254 mm (10 mils) /  Distance to GND: 0.1 mm (3.937 mils) /  Dielectric thickness from Bottom to L11 = 173um (6.8 mils) /  Dielectric between Bottom layer and L11 relative permittivity (Er): 4.2 /          /  Approximate microstrip line impedance = 49.99 Ohms (+/- 10% tolerance)" at 180.75,51 h1.5
  text "RF (Top)" at 159.875,34 h2
  text "100 Ohm coupled microstrip line (Top layer) characteristics: /  Top layer copper foil thickness: 17.5 um /  Track width = 0.2 mm (6.8 mils) /  Track spacing = 0.14 mm (5.51 mils) /  Track width/spacing ratio = 1.428 /  Dielectric thickness from top to L2 = 173um (6.8 mils) /  Dielectric between Top layer and 2nd layer relative permittivity (Er): 4.2 /          /  Approximate coupled microstrip line impedance = 100.752 Ohms (+/- 10% tolerance)" at 180.875,23.075 h1.5
  text "PCI connector / edge chamfer" at -31.5,20 h1.5
  text "Place vendor and RoHS logo here (bottom layer)" at 113.725,14.1 h0.8
  text "PCIe (Top)" at 158.95,9.725 h2
  text "20 (+/- 5) / degrees" at -40,9.5 h1.5
  text "Chamfered area is shown as filled field" at 4,1 h1
  text "1.4 mm" at -40.2,-0.5 h1.5
  text "85 Ohm coupled microstrip line (Top layer, PCI traces) characteristics: /  Top layer copper foil thickness: 17.5 um /  Track width = 0.25 mm (9.84 mils) /  Track spacing = 0.1 mm (3.93 mils) /  Track width/spacing ratio = 2.5 /  Dielectric thickness from Top to 2nd layer = 173um (6.8 mils) /  Dielectric between Top layer and 2nd layer relative permittivity (Er): 4.2 /          /   Approximate coupled microstrip line impedance = 84.8 Ohms (+/- 10% tolerance)" at 180.45,-5.6 h1.5
  text "TH via" at 34.7,-14.725 h1.52
  text "GERBER LAYER NAMES:" at -91.7,-16.125 h1.52
  text "STACKUP:" at -38.65,-16.45 h3
  text "Top-Bot" at 34.15,-17.8 h1.52
  text "PCIe (Bottom)" at 157.375,-18.425 h2
  text "GTP" at -90.6,-19.925 h1.52
  text "Top solder paste" at -85.5,-20.025 h1
  text "GTO" at -90.6,-22.925 h1.52
  text "Silkscreen" at -85.6,-23.225 h1
  text "ELECTRICAL LAYERS:" at 48.7,-24.225 h1.52
  text "GTS" at -90.6,-25.425 h1.52
  text "Soldermask (halogen free)" at -85.6,-26.725 h1
  text "Top: RF/GND" at 49.375,-27.7 h1.52
  text "GTL" at -90.6,-27.925 h1.52
  text "0.5oz+plating" at -85.6,-28.425 h1
  text "6.8mil" at -59.95,-30.6 h1
  text "PP" at -63.3,-30.725 h1
  text "G1" at -90.6,-32.425 h1.52
  text "85 Ohm coupled microstrip line (Bottom layer, PCI traces) characteristics: /  Bottom layer copper foil thickness: 17.5 um /  Track width = 0.25 mm (9.84 mils) /  Track spacing = 0.1 mm (3.93 mils) /  Track width/spacing ratio = 2.5 /  Dielectric thickness from L11 to Bottom layer = 173um (6.8 mils) /  Dielectric between L11 layer and Bottom layer relative permittivity (Er): 4.2 /          /  Approximate coupled microstrip line impedance = 85 Ohms (+/- 10% tolerance)" at 179.825,-32.525 h1.5
  text "0.1oz" at -85.6,-32.625 h1
  text "L2: GND" at 49.4,-32.725 h1.52
  text "CORE" at -63.3,-35.225 h1
  text "G2" at -90.6,-36.925 h1.52
  text "0.1oz" at -85.6,-37.125 h1
  text "L3: PWR/Signal/GND" at 49.4,-37.225 h1.52
  text "VERY IMPORTANT NOTES:" at 148.325,-37.575 h3
  text "PP" at -63.3,-39.725 h1
  text "G3" at -90.6,-41.425 h1.52
  text "0.1oz" at -85.6,-41.625 h1
  text "L4: Signal/PWR/GND" at 49.4,-41.725 h1.52
  text "CORE" at -63.3,-44.225 h1
  text "G4" at -90.6,-45.925 h1.52
  text "0.1oz" at -85.6,-46.125 h1
  text "L5: Signal/PWR/GND" at 49.5,-46.225 h1.52
  text "PP" at -63.3,-48.725 h1
  text "G5" at -90.6,-50.425 h1.52
  text "L6: PWR/GND" at 49.4,-50.575 h1.52
  text "0.1oz" at -85.6,-50.625 h1
  text "CORE" at -63.3,-53.225 h1
  text "G6" at -90.6,-54.925 h1.52
  text "L7: PWR/GND" at 49.5,-55.075 h1.52
  text "0.1oz" at -85.6,-55.125 h1
  text "PP" at -63.3,-57.725 h1
  text "G7" at -90.6,-59.425 h1.52
  text "L8: Signal/PWR/GND" at 49.325,-59.55 h1.52
  text "0.1oz" at -85.6,-59.625 h1
  text "CORE" at -63.3,-62.225 h1
  text "G8" at -90.6,-63.925 h1.52
  text "0.1oz" at -85.6,-64.125 h1
  text "L9: GND/PWR" at 49.425,-64.125 h1.52
  text "PP" at -63.3,-66.725 h1
  text "G9" at -90.6,-68.425 h1.52
  text "0.1oz" at -85.6,-68.625 h1
  text "L10: CLK/Signal" at 49.5,-68.775 h1.52
  text "CORE" at -63.3,-71.225 h1
  text "G10" at -90.6,-72.925 h1.52
  text "0.1oz" at -85.6,-73.125 h1
  text "L11: GND" at 49.45,-73.45 h1.52
  text "6.8mil" at -59.775,-75.675 h1
  text "PP" at -63.3,-75.725 h1
  text "GBL" at -90.6,-77.425 h1.52
  text "Bottom: Signal/PWR/GND" at 49.45,-77.45 h1.52
  text "0.5oz+plating" at -85.6,-77.925 h1
  text "GBS" at -90.6,-79.925 h1.52
  text "Soldermask (halogen free)" at -85.6,-81.125 h1
  text "GBO" at -90.6,-82.425 h1.52
  text "Silkscreen" at -85.6,-82.625 h1
  text "ADDITIONAL LAYERS:" at 50,-82.975 h1.52
  text "GBP" at -90.6,-85.425 h1.52
  text "Bottom solder paste" at -85.6,-85.625 h1
  text "Mechanical 1: Board cutout" at 52.325,-86.2 h1.52
  text "Via type #1" at -8.55,-88.425 h1.52
  text "1) 0.35mm ring and 0.2mm drill via-in-pads (IC1) must be resin filled with metal cap / 2) Solder mask : DARK BLUE, both sides, halogen free, glossy finish (NOT matte) / 3) Silkscreen : white epoxy ink, halogen free, both sides. No silkscreen on pads. / 4) DRCs must be run on Gerber files before building boards / 5) Hole diameters are final manufactured diameters INCLUDING HOLE METALIZATION. / 6) Minimum track spacing: 0.1 mm /    Minimum track width: 0.1 mm / 7) There are plated and non-plated holes on the PCB / 8) Material: /    IT-180A /    PCB vendor to silkscreen UL and RoHS compliance marks, vendor logo and date code on bottom where shown /    Copper weight:  External layers 0.5 oz+plating /                    Internal layers 1 oz / 9) Electrical test : 100 % netlist. / 10) Boards are to be individually bagged. / 11) PCI EXPRESS pads (top and bottom) - 30 micro inches of gold over 50 micro inches nickel plating / 12) Board edge below PCI pads must be chamfered (as shown). Edges must be free of cutting burrs" at 120.925,-88.75 h1.5
  text "ASM TOP: Assembly top" at 52.325,-89.2 h1.52
  text "0.2mm drill / 0.4mm ring" at 32.7,-90.725 h1.2
  text "Total PCB thicknes: 1.6mm +/- 10%" at -66.975,-92.1 h1.52
  text "ASM BOT: Assembly bottom" at 52.325,-92.2 h1.52
  text "Mechanical 13: Component 3D body" at 52.325,-95.2 h1.52
  text "0.2mm drill / 0.35mm ring" at 32.7,-96.725 h1.2
  text "Via type #2 (In pad, resin filled with metal cap)" at -9.05,-97.1 h1.52
ASM BOT:
  drawing of 508 lines, arcs and shapes, not listed
  text "Assembly bottom" at 72.3,70.125 h1.25
  text "or" at 66.775,51.85 h0.55
  text "C140" at 110.375,9.4 h0.99
  text "C139" at 105.35,2.65 h0.99 r270
  text "C120" at 95.95,-0.525 h0.99
  text "IC19" at 38.675,-4.325 h0.99
  text "C122" at 99.25,-5 h0.99 r270
  text "IC16" at 29.425,-5.175 h0.99
  text "C151" at 120.425,-8.05 h0.99
ASM TOP:
  circle w0.254: c97.75,29.85 r0.05
  circle w0.4: c-15.3,33.425 r0.19
  circle w0.4: c-15.3,32.2 r0.19
  lines w0.1: -15.75,30.7 -15.325,31.125 ; -15.325,22.2 -15.325,31.125 ; -14.9,30.7 -15.325,31.125 ; 55.15,17.25 56.275,17 ; 55.7,19.575 56.8,18.55 ; 85.15,16.5 85.15,16.875 87.65,16.875 ; 90.1,16.5 90.1,16.875 87.65,16.875 ; 92.175,15.1 92.175,17.275 87.65,17.275 87.65,16.875 ; 116.125,33.1 117.45,32.575 ; -15.9,31.775 -15.9,34 -14.7,34 -14.7,31.775 -15.025,31.45 -15.575,31.45 -15.9,31.775 ; 89.95,13.05 89.95,15.1 90.2,15.1 94.45,15.1 94.45,13.05 89.95,13.05
  lines w0.15: -8.444,19.293 -0.925,18.225 ; 20.55,41.975 25.3,43.675 ; 98.25,38.525 100.425,38.525 ; 101.25,34.975 100.425,34.975 100.425,38.525 ; 101.275,40.3 100.425,40.3 100.425,38.525 ; 116.2,31.025 117.824,30.476 ; 116.4,31.95 117.824,31.526 ; 121.324,28.576 122.575,28.75 ; 93.925,34.85 93.925,39.9 98.25,39.9 98.25,34.85 93.925,34.85
  lines w0.3: 0,4.5 0,68.9 136.85,68.9 136.85,12.75 79.3,12.75 79.3,0.5 78.8,0 58.6,0 58.1,0.5 58.1,7.45 ccw(c57.15,7.45) 56.2,7.45 56.2,0.5 55.7,0 45.5,0 45,0.5 45,10.925 ccw(c43.175,10.925) 41.35,10.925 41.35,4.5 33.35,4.5 33.35,12.75 15,12.75 15,4.5 0,4.5
  text "Assembly top" at 56.9,72.925 h1.25
  text "ASSEMBLY NOTE: / Orientation for throughole LEDs (LED2, LED3). / More info in part datasheet" at -21.95,34.4 h0.55
  text "Green Anode" at -22.25,33.15 h0.55
  text "Green Cathode" at -23.625,31.925 h0.55
  text "ASSEMBLY NOTE: / LEDS1 - for both parts mount throughole LEDs (LED2, LED3) in plastic LED holder (LEDS1). Two LEDs in one holder" at -23.775,16.95 h0.55

## Dimensions
0,68.9 to 0,0 on ASM TOP
0,68.9 to 0,4.5 on ASM TOP
0,68.9 to 136.85,68.9 on ASM TOP
-9.25,78.1 to 146.05,78.1 on Mechanical1
146.05,78.1 to 146.05,-9.15 on Mechanical1

## Text inside footprints (layer, text, board x,y; h text height)
J1: ASM TOP "in" at 15.9,44.89 h0.55 r90
J2: ASM TOP "in" at 18.25,63.125 h0.55 r90
J3: ASM TOP "in" at 40.35,19.625 h0.55
J4: ASM TOP "in" at 48.9,19.55 h0.55
J5: ASM TOP "in" at 31.875,18 h0.55 r90
J6: ASM TOP "in" at 32.65,62.85 h0.55 r90
J7: ASM TOP "in" at 44.45,62.575 h0.55 r90
J8: ASM TOP "in" at 15.95,24.825 h0.55 r90
J9: ASM TOP "in" at 20.275,19.15 h0.55 r90
J10: ASM TOP "in" at 15.775,33.75 h0.55 r90
J12: TopOverlay "1" at 119.45,48.325 h0.7 r90; TopOverlay "9" at 124.55,48.125 h0.7 r90; TopOverlay "2" at 119.45,56.125 h0.7 r90; TopOverlay "10" at 124.55,56.025 h0.7 r90
J13: TopOverlay "1" at 111.4,48.35 h0.7 r90; TopOverlay "9" at 116.5,48.15 h0.7 r90; TopOverlay "2" at 111.4,56.15 h0.7 r90; TopOverlay "10" at 116.5,56.05 h0.7 r90
J15: ASM TOP "in" at 69.35,44.85 h0.55
J16: ASM TOP "in" at 69.35,42.85 h0.55
L1: ASM TOP "no polarity" at 125.121,22.901 h0.6
L2: ASM TOP "no polarity" at 103.263,26.162 h0.55
LED1: ASM TOP "C" at 0.775,17.625 h0.55 r270; ASM TOP "A" at 0.775,19.425 h0.55 r270
LED4: ASM TOP "C" at 2.625,17.625 h0.55 r270; ASM TOP "A" at 2.625,19.425 h0.55 r270
LED5: ASM TOP "A" at 109.455,62.075 h0.55 r90; ASM TOP "C" at 109.455,63.875 h0.55 r90
LED6: ASM TOP "A" at 112.1,62.075 h0.55 r90; ASM TOP "C" at 112.1,63.875 h0.55 r90
LED7: ASM TOP "A" at 114.805,62.075 h0.55 r90; ASM TOP "C" at 114.805,63.875 h0.55 r90
LED8: ASM TOP "A" at 117.505,62.075 h0.55 r90; ASM TOP "C" at 117.505,63.875 h0.55 r90
LED9: ASM TOP "A" at 106.075,62.075 h0.55 r90; ASM TOP "C" at 106.075,63.875 h0.55 r90
LEDS1: ASM TOP "A" at 7.7,19.225 h0.55 r90; ASM TOP "C" at 7.8,16.825 h0.55 r90; ASM TOP "A" at 5.2,19.225 h0.55 r90; ASM TOP "C" at 5.3,16.725 h0.55 r90; ASM TOP "PCB edge" at -0.425,16.4 h0.5 r90
SW1: ASM TOP "1" at 124.525,65.85 h0.55; ASM TOP "8" at 124.64,60.3 h0.55 r180